# Altium PCB PE300_Rev1_1.PcbDoc (part 2 of 2)
Units mil, origin at the board's own origin, x right, y up, seen from the top; angles counter-clockwise.
Board outline 6601 x 4376.82 mil, 4 copper layers (TOP, GND02, VCC03, BOTTOM), stack 28.8 mil thick; 243 components, 349 nets, 1419 pads, 935 vias.
Unrouted connection lines stored in the file: 927.
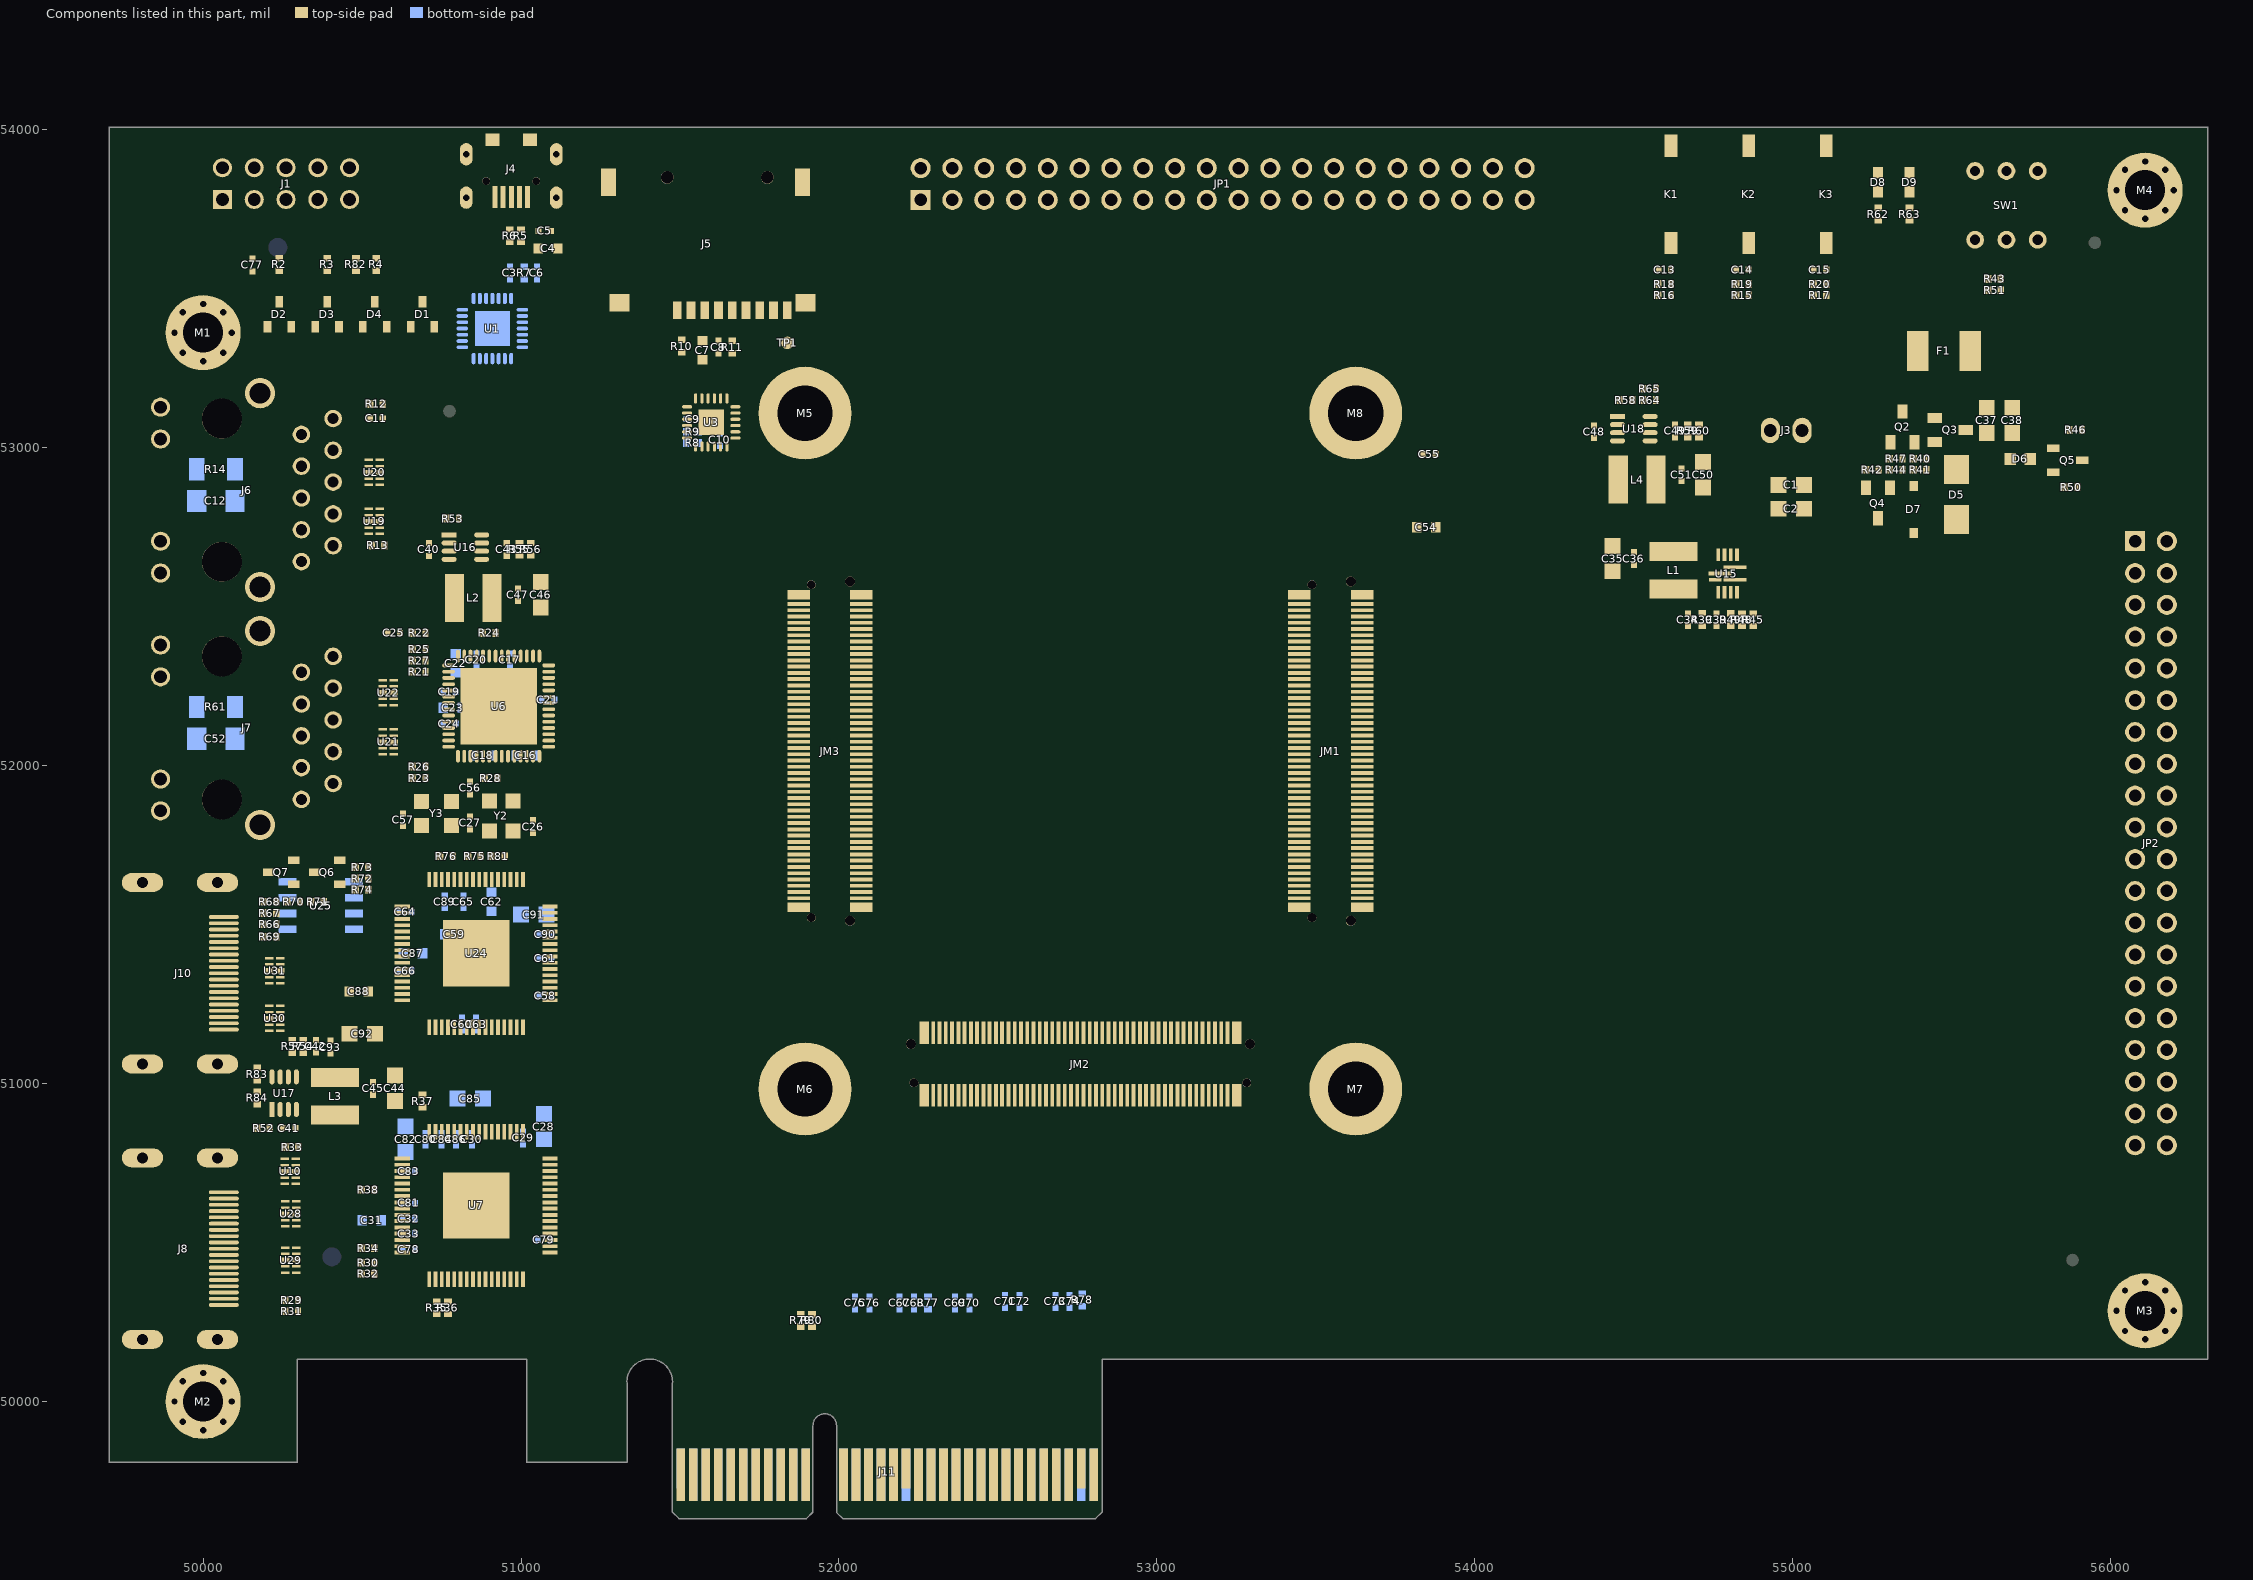
[diagram p4: the components of this part, seen from the top]

## Via types
v1: diameter 18, hole 10, TOP to BOTTOM, 779 vias
v2: diameter 24, hole 12, TOP to BOTTOM, 156 vias

## Nets (pads, with @x,y where several pads share a name; then routed paths per layer and width w, separated by ;. In a path a pad name is that pad's centre, name@x,y a point inside that pad or via, vN(x,y) a via of type N, cw(c..) or ccw(c..) an arc to the next point about the centre after c; other vN are vias at no path point) (continued)
copper on no net: | length 40
  TOP w25: v2(55685,51294.88) 55685.12,51295 v2(55725,51295)
  other v1: 52045,49925 52165,49925 52250,49925 52360,49925 52415,49925 52520,49925 52570,49925 52675,49925 52790,49925 51645,49930 51738.19,49943.19 51815,49985 52280,50105 51500,50150 51915,50200 52925,50200 53000,50200 53075,50200 53150,50200 53225,50200 53300,50200 53375,50200 53475,50200 53575,50200 53675,50200 53775,50200 53875,50200 53975,50200 54075,50200 54175,50200 54275,50200 54375,50200 54475,50200 54575,50200 54675,50200 54775,50200 54875,50200 54975,50200 55075,50200 55175,50200 55275,50200 55375,50200 55475,50200 55575,50200 55675,50200 55775,50200 55875,50200 55975,50200 56270,50215 52761.82,50258.18 50705.31,50275.31 50203.89,50283.89 50337.08,50283.89 52875,50300 53000,50300 53075,50300 53150,50300 53225,50300 53300,50300 53375,50300 53475,50300 53575,50300 53675,50300 53775,50300 53875,50300 53975,50300 54075,50300 54175,50300 54275,50300 54375,50300 54475,50300 54575,50300 54675,50300 54775,50300 54875,50300 54975,50300 55075,50300 55175,50300 55275,50300 55375,50300 55475,50300 55575,50300 55675,50300 55775,50300 55875,50300 56275,50300 50705,50314.69 50334.25,50318.89 50000,50323.43 52005,50329.69 52309.69,50329.69 50770.16,50345 52920,50365 50470,50370 50499.05,50370 50000,50382.48 56275,50385 53000,50400 53075,50400 53150,50400 53225,50400 53300,50400 53375,50400 53475,50400 53575,50400 53675,50400 53775,50400 53875,50400 53975,50400 54075,50400 54175,50400 54275,50400 54375,50400 54475,50400 54575,50400 54675,50400 54775,50400 54875,50400 54975,50400 55075,50400 55175,50400 55275,50400 55375,50400 55475,50400 55575,50400 55675,50400 55775,50400 50000,50441.54 50230,50445 50325,50445 56275,50450 50693.74,50478.74 50584.06,50488.74 53075,50500 53150,50500 53225,50500 53300,50500 53375,50500 53475,50500 53575,50500 53675,50500 53775,50500 53875,50500 53975,50500 54075,50500 54175,50500 54275,50500 54375,50500 54475,50500 54575,50500 54675,50500 54775,50500 54875,50500 54975,50500 55075,50500 55175,50500 55275,50500 55375,50500 55475,50500 55575,50500 55675,50500 55775,50500 55975,50500 56075,50500 56175,50500 50000,50500.6 51133.43,50508.43 50505,50510 51016.69,50511.69 56275,50525 50584.06,50528.11 50700.79,50531.69 50700,50575 50225,50590 50325,50590 53150,50600 53225,50600 53300,50600 53375,50600 53475,50600 53575,50600 53675,50600 53775,50600 53875,50600 53975,50600 54075,50600 54175,50600 54275,50600 50584.06,50606.85 50000,50610 50700,50625 50499.05,50635.95 53300,50700 53375,50700 53475,50700 53575,50700 53675,50700 53775,50700 53875,50700 53975,50700 54075,50700 54175,50700 54275,50700 50215,50704.21 50185,50705 50323.9,50723.9 50584.06,50724.96 50694.96,50724.96 50150,50745 50695,50765 50767.5,50772.5 50830,50780 51006.38,50780 50225,50785 53300,50800 53375,50800 53475,50800 53575,50800 53675,50800 53775,50800 53875,50800 53975,50800 54075,50800 54175,50800 54300,50800 54450,50800 54600,50800 55702.64,50806.3 55372.64,50811.3 55547.64,50811.3 55847.64,50811.3 55967.64,50811.3 51035,50870 50685,50885 52570,50885 50835,50890 50915,50890 50960,50890 52650,50895 50780,50900 53375,50900 53875,50900 53975,50900 54075,50900 54175,50900 54305,50900 54500,50900 55177.64,50901.3 55372.64,50901.3 55522.64,50901.3 55697.64,50901.3 55852.64,50901.3 55997.64,50901.3 52572.22,50910 52670.65,50910 52769.07,50910 52965.93,50910 53024.98,50910 53143.09,50910 53202.14,50910 52225,50920 50125.31,50935.31 52105,50950 52105,50985 53400,51000 55177.64,51001.3 55372.64,51001.3 55522.64,51001.3 55702.64,51001.3 55847.64,51001.3 55997.64,51001.3 52195,51025 52375.37,51025 52473.8,51025 52885,51030 53084.04,51030 52982.83,51046.89 53007,51046.89 53160,51046.89 53184.17,51046.89 53875,51050 53975,51050 54075,51050 54175,51050 54300,51050 53040.83,51051.89 53065,51051.89 52605,51055 53024.98,51070 53100,51081.89 53124.17,51081.89 50170,51090 55522.64,51096.3 55702.64,51096.3 55847.64,51096.3 56002.64,51096.3 53219.59,51099.26 53243.75,51099.26 50855,51100 55172.64,51101.3 55372.64,51101.3 53143.09,51101.89 52385,51105 53084.04,51105 50250,51130 50829.21,51135.99 50400,51160 50355,51170 52220,51170 50595,51175 50000,51189.57 50175,51205 50275,51205 50555,51205 52473.8,51210 52572.22,51210 52670.65,51210 52769.07,51210 52867.5,51210 52965.93,51210 53024.98,51210 53084.04,51210 53143.09,51210 53202.14,51210 52454.11,51225 50390,51240 50835,51240 50000,51248.62 52540,51250 50420,51270 51132.48,51281.78 52815,51300 50570,51301.46 50000,51307.68 51045,51310 52830,51320 52865,51330 52895,51345 50180,51355 50275,51355 50585,51360.52 51045,51365 50000,51366.74 50680,51380 51132.48,51399.89 50585,51419.57 51045,51440 50255,51445 50159.35,51470.65 50585,51478.63 51132.48,51478.63 50000,51484.85 50425,51485 50156.85,51503.15 50730,51520 50585,51537.68 50315,51540 50852.98,51552.02 50165,51555 50720,51555 53390,51554.51 53700,51554.51 51750,51570.75 50665,51575 53375,51583.19 53726.5,51583.19 50425,51585 51725,51595.5 50310,51600 50848.9,51600.56 50947.32,51600.56 53695,51602.88 51430,51605 51765,51620.25 53726.5,51622.56 50185,51625 51420,51630 50555,51635 53395,51642.25 53700,51642.25 51730,51645 52125,51645 52160,51645 52195,51645 52230,51645 50425,51660 51400,51660 50245,51675 51305,51675 51380,51690 51760,51700 51806.3,51701.3 50327.6,51702.4 50470.63,51710 50990,51710 50500,51715 51305,51715 50532.5,51722.5 51820,51740.67 52120,51740.67 53395,51740.67 53700,51740.67 50834.05,51744.05 50390,51745 50425,51745 50855,51765 50781.65,51771.65 51355,51790 51385,51790 51070,51796.27 52120,51839.1 53395,51839.1 53700,51839.1 51820,51845 51750,51856.54 51037.91,51862.09 51725,51865 51750,51880.71 50642.87,51887.13 51797.87,51895.91 51770,51905 51200,51910 51797.87,51920.08 50935,51930 51820,51937.52 52125,51937.52 53395,51937.52 53700,51937.52 50800,51950 51750,51954.96 50728.87,51961.13 51725,51965 52830,51970 51750,51979.13 50950,51985 50978.79,51985 52805,51990 51057.53,51994.43 51797.87,51994.33 50627.61,51997.39 51775,52005 52525,52010 51797.87,52018.5 52500,52030 50536.26,52033.08 52120,52035 51820,52035.94 53395,52035.94 53700,52035.94 52525,52050 51750,52053.39 50536.26,52057.08 51380,52059.44 51725,52065 52465,52070 52500,52070 50630.8,52075.08 51750,52077.56 51350,52079.13 51797.87,52092.76 53525,52095 51380,52098.82 50700,52105 51775,52105 52395,52109.68 51797.87,52116.93 51350,52118.5 50725,52120 53550,52120 51820,52130 52420,52130 52120,52134.37 53395,52134.37 53700,52134.37 51380,52138.18 52355,52150 53550,52155 51350,52157.87 52255,52170 51122.54,52177.56 53570,52180 50536.26,52187.62 52230,52190 51380,52197.24 53885,52205 50715,52210 52255,52210 53815,52210 53850,52210 53955,52210 50536.26,52211.62 51350,52216.93 50631.26,52229.62 52230,52230 51820,52232.8 52120,52232.8 53395,52232.8 53700,52232.8 51122.54,52236.61 50725,52240 54035,52245 52355,52250 52450,52250 52550,52250 52650,52250 52750,52250 51381.3,52256.3 54085,52260 53885,52265 51350,52275.98 54105,52295 50630.66,52295.66 50730,52295.67 51381.3,52295.67 52700,52300 51350,52315.35 50630.66,52330.66 51820,52331.22 52125,52331.22 53395,52331.22 53700,52331.22 52165,52335 52210,52340 53567.37,52348.67 51210,52350 51450,52350 52145,52355 52760,52358.56 50630.66,52365.66 53567.37,52372.83 51425,52375 52230,52375 52355,52375 52450,52375 52550,52375 50959.1,52380.36 52625,52380 52760,52382.72 52165,52385 50850,52390 52125,52390.28 54695,52400 54805,52405 54840,52405 54760,52410 50842.61,52417.39 51815,52429.65 52125,52429.65 53395,52429.65 53575,52429.65 50619.57,52444.57 51295,52485 54785.15,52505.15 52215,52530 51815,52535 52120,52537.07 53390,52545 52375,52550 52475,52550 52575,52550 53680,52580 52375,52625 52475,52625 52575,52625 50540,52655 50919.65,52674.65 54824.52,52704.52 50491.26,52726.11 51120,52735 51155,52735 50491.26,52750.11 55380.43,52765.83 50585.8,52768.11 50890,52770 50930,52790 55944.67,52875.93 50491.26,52880.65 55830,52891.26 50491.26,52904.65 50586.26,52922.65 55825,52956.26 52075,52965 52175,52965 52275,52965 52375,52965 52475,52965 55270.33,52965.93 51568.67,52968.7 51627.72,52968.7 53325,52970 52995,53025 51490.6,53030.35 50645,53042.65 54592.2,53047.2 54735,53050 52075,53065 52175,53065 52275,53065 52375,53065 52475,53065 52575,53065 52945,53075 53325,53080 51490.6,53089.4 50600,53092.65 53875,53100 51709.09,53109.09 54490,53120 54520,53120 55446.89,53129.37 52075,53165 52175,53165 52275,53165 52375,53165 52475,53165 52575,53165 52995,53165 53940,53165 50564.69,53170 53325,53175 51580,53190 54455.31,53189.69 55225,53205 52075,53265 52175,53265 52275,53265 52375,53265 52475,53265 52575,53265 53325,53275 53500,53275 53725,53275 53850,53275 53925,53275 54175,53275 54425,53275 54575,53275 54700,53275 54825,53275 54975,53275 55150,53275 51695.31,53310 54485,53325 54625,53325 54760,53325 54900,53325 55075,53325 52945,53340 50277.4,53343.66 50427.4,53343.66 50577.4,53343.66 50727.4,53343.66 49750,53350 53380,53375 53525,53375 53625,53375 53725,53375 53850,53375 53925,53375 54175,53375 54250,53375 55150,53375 51707.55,53385 53090,53385 52025,53400 52125,53400 52225,53400 52325,53400 52425,53400 50352.6,53417.6 50502.6,53417.6 50652.6,53417.6 49750,53425 49825,53425 50202.6,53425 51225,53425 55225,53450 51363.31,53456.69 51943.31,53456.69 55614.84,53462 53600,53475 53725,53475 53850,53475 53925,53475 54175,53475 54275,53475 54375,53475 54543.6,53480 54793.6,53480 55033.6,53480 53035,53495 53505,53495 49750,53500 49850,53500 56250,53500 51309.91,53505.09 51894.56,53509.56 50875,53515 50907.5,53517.63 50931.67,53517.63 50155,53525 51225,53525 52025,53525 52125,53525 52225,53525 55150,53525 55300,53525 53160,53530 53250,53550 50120,53555 52960,53560 53570,53560 54543.6,53560 54788.6,53560 55028.6,53560 51095,53575 53725,53575 53825,53575 54175,53575 54275,53575 54375,53575 54475,53575 56250,53575 49750,53600 49850,53600 50940,53600 53065,53600 55375,53600 53165,53620 51225,53625 53260,53625 53640,53625 51157.69,53626.83 52960,53630 51995,53645 52095,53645 52195,53645 56250,53650 54375,53675 54475,53675 55200,53675 55450,53675 49750,53700 49850,53700 51094.77,53717.92 51225,53725 50918.18,53730.49 52000,53750 52100,53750 54375,53750 54475,53750 51274.48,53770.52 51884.72,53775.28 49750,53800 49850,53800 51205,53800 54500,53800 55200,53800 55450,53800 49750,53875 49850,53875 55105.18,53891.58 54617,53892.5 54861.09,53892.5 51274.48,53899.48 51205,53900 51884.72,53899.72 55268.71,53903.54 55367.13,53903.54 54360,53945 55950,53955 56075,53960 56230,53960 50874.18,53968.51 50951.2,53968.51 50989.18,53968.51 51066.2,53968.51 49750,53970 49850,53975
  other v2: 51580.71,49999.29 51630,49999.29 51605,50040 55850,50630 55900,50630 55850,50675 55900,50675 55850,50725 55900,50725 50215,50830 50245,50830 50315,50830 50355,50830 50560,50900 50555,50935 50650,51010 50650,51050 50280,51065 50580,51090 50620,51090 53890,51646.89 53935,51646.89 49878.29,51701.71 49910.79,51734.21 49945,51768.42 51160,51775 55695,51870 55735,51870.12 54190,51946.89 54255,51946.89 54305,51946.89 50775,52025 51115,52455 51150,52455 54365,52515 54420,52515 54475,52515 54340,52560 54390,52560 54440,52560 54490,52560 53876.89,52570 51115,52577.45 50710,52580 50990,52590 50710,52620 53926.89,52630 51061.85,52630.6 55515.12,52650 54875,52655 51064.13,52660.87 54335,52670 54380,52670 55515,52690 50640,52700 50675,52700 54875,52710 54335,52715 54380,52715 53771.89,52750 54335,52760 54380,52760 54875,52775 53771.89,52790 55675,52800 55085,52805 55130,52805 55170,52805 54670,52815 54765,52835 54825,52835 55625,52850 55675,52850 54670,52860 55085,52860 55130,52860 55170,52860 53804.48,52872.59 54765,52880 54825,52880 55625,52900 55675,52900 55085,52905 55130,52905 55170,52905 54770,52930 53916.89,52940 55625,52950 53804.48,52962.41 54770,52965 53916.89,52980 54375,52990 54770,52995 53821.89,53020 53821.89,53070 54375,53110 55555,53116.26 54375,53145 55555,53156.26 55620,53181.26 55665,53181.26 55710,53181.26 55750,53181.26 51500,53255 51535,53255 49765,53280 51535.31,53305 51535.31,53336.8 51020,53480

## Polygon pours and split planes (outlines as drawn)
no net on ASSEMBLY_TOP (solid): 50234.8,53690.05 50234.7,53690.05 50229.5,53689.82 50224.33,53689.14 50219.25,53688.02 50214.28,53686.45 50209.47,53684.46 50204.85,53682.05 50200.46,53679.25 50196.33,53676.08 50192.49,53672.57 50188.97,53668.73 50185.8,53664.59 50183,53660.2 50180.59,53655.58 50178.6,53650.77 50177.03,53645.8 50175.91,53640.72 50175.23,53635.56 50175,53630.35 50175.23,53625.09 50175.92,53619.86 50177.06,53614.72 50178.64,53609.69 50180.66,53604.83 50183.09,53600.15 50185.92,53595.71 50189.13,53591.53 50192.69,53587.64 50196.57,53584.08 50200.75,53580.88 50205.2,53578.04 50209.87,53575.61 50214.74,53573.59 50219.77,53572.01 50224.91,53570.87 50230.13,53570.18 50235.4,53569.95 50235.6,53569.95 50240.78,53570.18 50245.91,53570.85 50250.97,53571.97 50255.91,53573.53 50260.7,53575.52 50265.3,53577.91 50269.67,53580.69 50273.78,53583.85 50277.6,53587.35 50281.1,53591.17 50284.26,53595.28 50287.04,53599.65 50289.43,53604.25 50291.42,53609.03 50292.98,53613.98 50294.1,53619.03 50294.77,53624.17 50295,53629.35 50295,53629.85 50294.77,53635.1 50294.08,53640.31 50292.95,53645.43 50291.37,53650.44 50289.36,53655.29 50286.93,53659.95 50284.11,53664.38 50280.91,53668.55 50277.37,53672.42 50273.49,53675.97 50269.33,53679.16 50264.9,53681.99 50260.24,53684.41 50255.39,53686.42 50250.38,53688 50245.25,53689.14 50240.04,53689.82 50234.8,53690.05
no net on ASSEMBLY_TOP (solid): 55879.8,50505.05 55879.7,50505.05 55874.5,50504.82 55869.33,50504.14 55864.25,50503.02 55859.28,50501.45 55854.47,50499.46 55849.85,50497.05 55845.46,50494.25 55841.33,50491.08 55837.49,50487.57 55833.97,50483.73 55830.8,50479.59 55828,50475.2 55825.59,50470.58 55823.6,50465.77 55822.03,50460.8 55820.91,50455.72 55820.23,50450.56 55820,50445.35 55820.23,50440.09 55820.92,50434.86 55822.06,50429.72 55823.64,50424.69 55825.66,50419.83 55828.09,50415.15 55830.92,50410.71 55834.13,50406.53 55837.69,50402.64 55841.57,50399.08 55845.75,50395.88 55850.2,50393.04 55854.87,50390.61 55859.74,50388.59 55864.77,50387.01 55869.91,50385.87 55875.13,50385.18 55880.4,50384.95 55880.6,50384.95 55885.78,50385.18 55890.91,50385.85 55895.97,50386.97 55900.91,50388.53 55905.7,50390.52 55910.3,50392.91 55914.67,50395.69 55918.78,50398.85 55922.6,50402.35 55926.1,50406.17 55929.26,50410.28 55932.04,50414.65 55934.43,50419.25 55936.42,50424.03 55937.98,50428.98 55939.1,50434.03 55939.77,50439.17 55940,50444.35 55940,50444.85 55939.77,50450.1 55939.08,50455.31 55937.95,50460.43 55936.37,50465.44 55934.36,50470.29 55931.93,50474.95 55929.11,50479.38 55925.91,50483.55 55922.37,50487.42 55918.49,50490.97 55914.33,50494.16 55909.9,50496.99 55905.24,50499.41 55900.39,50501.42 55895.38,50503 55890.25,50504.14 55885.04,50504.82 55879.8,50505.05
no net on ASSEMBLY_TOP (solid): 50404.8,50515.1 50404.7,50515.1 50399.5,50514.87 50394.33,50514.19 50389.25,50513.06 50384.28,50511.5 50379.47,50509.51 50374.85,50507.1 50370.46,50504.3 50366.33,50501.13 50362.49,50497.61 50358.97,50493.77 50355.8,50489.64 50353,50485.25 50350.59,50480.63 50348.6,50475.82 50347.03,50470.85 50345.91,50465.77 50345.23,50460.6 50345,50455.4 50345.23,50450.14 50345.92,50444.91 50347.06,50439.77 50348.64,50434.74 50350.66,50429.88 50353.09,50425.2 50355.92,50420.76 50359.13,50416.58 50362.69,50412.69 50366.57,50409.13 50370.75,50405.92 50375.2,50403.09 50379.87,50400.66 50384.74,50398.64 50389.77,50397.06 50394.91,50395.92 50400.13,50395.23 50405.4,50395 50405.6,50395 50410.78,50395.23 50415.91,50395.9 50420.97,50397.02 50425.91,50398.58 50430.7,50400.56 50435.3,50402.96 50439.67,50405.74 50443.78,50408.9 50447.6,50412.4 50451.1,50416.22 50454.26,50420.33 50457.04,50424.7 50459.43,50429.29 50461.42,50434.08 50462.98,50439.02 50464.1,50444.08 50464.77,50449.22 50465,50454.4 50465,50454.9 50464.77,50460.15 50464.08,50465.36 50462.95,50470.48 50461.37,50475.49 50459.36,50480.34 50456.93,50485 50454.11,50489.43 50450.91,50493.6 50447.37,50497.47 50443.49,50501.02 50439.33,50504.21 50434.9,50507.03 50430.24,50509.46 50425.39,50511.47 50420.38,50513.05 50415.25,50514.18 50410.04,50514.87 50404.8,50515.1
no net on ASSEMBLY_TOP (solid): 50775.2,53175.05 50775.3,53175.05 50780.5,53174.82 50785.67,53174.14 50790.75,53173.02 50795.72,53171.45 50800.53,53169.46 50805.15,53167.05 50809.54,53164.25 50813.67,53161.08 50817.51,53157.57 50821.03,53153.73 50824.2,53149.59 50827,53145.2 50829.41,53140.58 50831.4,53135.77 50832.97,53130.8 50834.09,53125.72 50834.77,53120.56 50835,53115.35 50834.77,53110.09 50834.08,53104.86 50832.94,53099.72 50831.36,53094.69 50829.34,53089.83 50826.91,53085.15 50824.08,53080.71 50820.87,53076.53 50817.31,53072.64 50813.43,53069.08 50809.25,53065.88 50804.8,53063.04 50800.13,53060.61 50795.26,53058.59 50790.23,53057.01 50785.09,53055.87 50779.87,53055.18 50774.6,53054.95 50774.4,53054.95 50769.22,53055.18 50764.09,53055.85 50759.03,53056.97 50754.09,53058.53 50749.3,53060.52 50744.7,53062.91 50740.33,53065.69 50736.22,53068.85 50732.4,53072.35 50728.9,53076.17 50725.74,53080.28 50722.96,53084.65 50720.57,53089.25 50718.58,53094.03 50717.02,53098.98 50715.9,53104.03 50715.23,53109.17 50715,53114.35 50715,53114.85 50715.23,53120.1 50715.92,53125.31 50717.05,53130.43 50718.63,53135.44 50720.64,53140.29 50723.07,53144.95 50725.89,53149.38 50729.09,53153.55 50732.63,53157.42 50736.51,53160.97 50740.67,53164.16 50745.1,53166.99 50749.76,53169.41 50754.61,53171.42 50759.62,53173 50764.75,53174.14 50769.96,53174.82 50775.2,53175.05
no net on ASSEMBLY_TOP (solid): 55880.2,50505.05 55880.3,50505.05 55885.5,50504.82 55890.67,50504.14 55895.75,50503.02 55900.72,50501.45 55905.53,50499.46 55910.15,50497.05 55914.54,50494.25 55918.67,50491.08 55922.51,50487.57 55926.03,50483.73 55929.2,50479.59 55932,50475.2 55934.41,50470.58 55936.4,50465.77 55937.97,50460.8 55939.09,50455.72 55939.77,50450.56 55940,50445.35 55939.77,50440.09 55939.08,50434.86 55937.94,50429.72 55936.36,50424.69 55934.34,50419.83 55931.91,50415.15 55929.08,50410.71 55925.87,50406.53 55922.31,50402.64 55918.43,50399.08 55914.25,50395.88 55909.8,50393.04 55905.13,50390.61 55900.26,50388.59 55895.23,50387.01 55890.09,50385.87 55884.87,50385.18 55879.6,50384.95 55879.4,50384.95 55874.22,50385.18 55869.09,50385.85 55864.03,50386.97 55859.09,50388.53 55854.3,50390.52 55849.7,50392.91 55845.33,50395.69 55841.22,50398.85 55837.4,50402.35 55833.9,50406.17 55830.74,50410.28 55827.96,50414.65 55825.57,50419.25 55823.58,50424.03 55822.02,50428.98 55820.9,50434.03 55820.23,50439.17 55820,50444.35 55820,50444.85 55820.23,50450.1 55820.92,50455.31 55822.05,50460.43 55823.63,50465.44 55825.64,50470.29 55828.07,50474.95 55830.89,50479.38 55834.09,50483.55 55837.63,50487.42 55841.51,50490.97 55845.67,50494.16 55850.1,50496.99 55854.76,50499.41 55859.61,50501.42 55864.62,50503 55869.75,50504.14 55874.96,50504.82 55880.2,50505.05
no net on ASSEMBLY_TOP (solid): 55950.2,53705.05 55950.3,53705.05 55955.5,53704.82 55960.67,53704.14 55965.75,53703.02 55970.72,53701.45 55975.53,53699.46 55980.15,53697.05 55984.54,53694.25 55988.67,53691.08 55992.51,53687.57 55996.03,53683.73 55999.2,53679.59 56002,53675.2 56004.41,53670.58 56006.4,53665.77 56007.97,53660.8 56009.09,53655.72 56009.77,53650.56 56010,53645.35 56009.77,53640.09 56009.08,53634.86 56007.94,53629.72 56006.36,53624.69 56004.34,53619.83 56001.91,53615.15 55999.08,53610.71 55995.87,53606.53 55992.31,53602.64 55988.43,53599.08 55984.25,53595.88 55979.8,53593.04 55975.13,53590.61 55970.26,53588.59 55965.23,53587.01 55960.09,53585.87 55954.87,53585.18 55949.6,53584.95 55949.4,53584.95 55944.22,53585.18 55939.09,53585.85 55934.03,53586.97 55929.09,53588.53 55924.3,53590.52 55919.7,53592.91 55915.33,53595.69 55911.22,53598.85 55907.4,53602.35 55903.9,53606.17 55900.74,53610.28 55897.96,53614.65 55895.57,53619.25 55893.58,53624.03 55892.02,53628.98 55890.9,53634.03 55890.23,53639.17 55890,53644.35 55890,53644.85 55890.23,53650.1 55890.92,53655.31 55892.05,53660.43 55893.63,53665.44 55895.64,53670.29 55898.07,53674.95 55900.89,53679.38 55904.09,53683.55 55907.63,53687.42 55911.51,53690.97 55915.67,53694.16 55920.1,53696.99 55924.76,53699.41 55929.61,53701.42 55934.62,53703 55939.75,53704.14 55944.96,53704.82 55950.2,53705.05

## Keep-outs
TOP:
  region: 50775,53048.95 50769.25,53049.2 50763.54,53049.95 50757.92,53051.2 50752.43,53052.93 50747.11,53055.13 50742,53057.79 50737.14,53060.89 50732.58,53064.39 50728.33,53068.28 50724.44,53072.53 50720.94,53077.1 50717.84,53081.95 50715.18,53087.06 50712.98,53092.38 50711.25,53097.87 50710,53103.49 50709.25,53109.2 50709,53114.95 50709.25,53120.7 50710,53126.41 50711.25,53132.03 50712.98,53137.52 50715.18,53142.84 50717.84,53147.95 50720.94,53152.81 50724.44,53157.38 50728.33,53161.62 50732.58,53165.51 50737.14,53169.01 50742,53172.11 50747.11,53174.77 50752.43,53176.97 50757.92,53178.7 50763.54,53179.95 50769.25,53180.7 50775,53180.95 50780.75,53180.7 50786.46,53179.95 50792.08,53178.7 50797.57,53176.97 50802.89,53174.77 50808,53172.11 50812.86,53169.01 50817.42,53165.51 50821.67,53161.62 50825.56,53157.38 50829.06,53152.81 50832.16,53147.95 50834.82,53142.84 50837.02,53137.52 50838.75,53132.03 50840,53126.41 50840.75,53120.7 50841,53114.95 50841,53114.85 50840.72,53109.09 50839.95,53103.37 50838.67,53097.73 50836.91,53092.23 50834.68,53086.91 50831.99,53081.8 50828.87,53076.94 50825.34,53072.38 50821.42,53068.14 50817.15,53064.26 50812.55,53060.76 50807.67,53057.68 50802.54,53055.03 50797.19,53052.85 50791.68,53051.13 50786.04,53049.91 50780.31,53049.18 50775.1,53048.95 50775,53048.95
  region: 50775,53175.05 50775.4,53175.05 50780.6,53174.82 50785.75,53174.14 50790.83,53173.02 50795.79,53171.45 50800.59,53169.47 50805.2,53167.06 50809.59,53164.27 50813.71,53161.11 50817.54,53157.59 50821.06,53153.76 50824.22,53149.64 50827.02,53145.25 50829.42,53140.64 50831.41,53135.83 50832.97,53130.88 50834.09,53125.8 50834.77,53120.65 50835,53115.45 50835,53115.35 50834.77,53110.09 50834.08,53104.86 50832.94,53099.72 50831.36,53094.69 50829.34,53089.83 50826.91,53085.15 50824.08,53080.71 50820.87,53076.53 50817.31,53072.64 50813.43,53069.08 50809.25,53065.88 50804.8,53063.04 50800.13,53060.61 50795.26,53058.59 50790.23,53057.01 50785.09,53055.87 50779.87,53055.18 50774.6,53054.95 50774.3,53054.95 50769.13,53055.18 50764,53055.85 50758.95,53056.97 50754.02,53058.53 50749.24,53060.51 50744.65,53062.9 50740.29,53065.68 50736.18,53068.83 50732.37,53072.32 50728.87,53076.13 50725.72,53080.24 50722.94,53084.6 50720.56,53089.19 50718.58,53093.97 50717.02,53098.9 50715.9,53103.95 50715.23,53109.08 50715,53114.25 50715,53115.05 50715.23,53120.28 50715.91,53125.47 50717.04,53130.58 50718.62,53135.57 50720.62,53140.41 50723.04,53145.05 50725.85,53149.46 50729.04,53153.62 50732.57,53157.48 50736.43,53161.01 50740.59,53164.2 50745,53167.01 50749.64,53169.43 50754.48,53171.43 50759.47,53173 50764.58,53174.14 50769.77,53174.82 50775,53175.05
  region: 55880,50378.95 55874.25,50379.2 55868.54,50379.95 55862.92,50381.2 55857.43,50382.93 55852.11,50385.13 55847,50387.79 55842.14,50390.89 55837.58,50394.39 55833.33,50398.28 55829.44,50402.53 55825.94,50407.1 55822.84,50411.95 55820.18,50417.06 55817.98,50422.38 55816.25,50427.87 55815,50433.49 55814.25,50439.2 55814,50444.95 55814.25,50450.7 55815,50456.41 55816.25,50462.03 55817.98,50467.52 55820.18,50472.84 55822.84,50477.95 55825.94,50482.81 55829.44,50487.38 55833.33,50491.62 55837.58,50495.51 55842.14,50499.01 55847,50502.11 55852.11,50504.77 55857.43,50506.97 55862.92,50508.7 55868.54,50509.95 55874.25,50510.7 55880,50510.95 55885.75,50510.7 55891.46,50509.95 55897.08,50508.7 55902.57,50506.97 55907.89,50504.77 55913,50502.11 55917.86,50499.01 55922.42,50495.51 55926.67,50491.62 55930.56,50487.38 55934.06,50482.81 55937.16,50477.95 55939.82,50472.84 55942.02,50467.52 55943.75,50462.03 55945,50456.41 55945.75,50450.7 55946,50444.95 55946,50444.85 55945.72,50439.09 55944.95,50433.37 55943.67,50427.73 55941.91,50422.23 55939.68,50416.91 55936.99,50411.8 55933.87,50406.94 55930.34,50402.38 55926.42,50398.14 55922.15,50394.26 55917.55,50390.76 55912.67,50387.68 55907.54,50385.03 55902.19,50382.85 55896.68,50381.13 55891.04,50379.91 55885.31,50379.18 55880.1,50378.95 55880,50378.95
  region: 55880,50505.05 55880.4,50505.05 55885.6,50504.82 55890.75,50504.14 55895.83,50503.02 55900.79,50501.45 55905.59,50499.47 55910.2,50497.06 55914.59,50494.27 55918.71,50491.11 55922.54,50487.59 55926.06,50483.76 55929.22,50479.64 55932.02,50475.25 55934.42,50470.64 55936.41,50465.83 55937.97,50460.88 55939.09,50455.8 55939.77,50450.65 55940,50445.45 55940,50445.35 55939.77,50440.09 55939.08,50434.86 55937.94,50429.72 55936.36,50424.69 55934.34,50419.83 55931.91,50415.15 55929.08,50410.71 55925.87,50406.53 55922.31,50402.64 55918.43,50399.08 55914.25,50395.88 55909.8,50393.04 55905.13,50390.61 55900.26,50388.59 55895.23,50387.01 55890.09,50385.87 55884.87,50385.18 55879.6,50384.95 55879.3,50384.95 55874.13,50385.18 55869,50385.85 55863.95,50386.97 55859.02,50388.53 55854.24,50390.51 55849.65,50392.9 55845.29,50395.68 55841.18,50398.83 55837.37,50402.32 55833.87,50406.13 55830.72,50410.24 55827.94,50414.6 55825.56,50419.19 55823.58,50423.97 55822.02,50428.9 55820.9,50433.95 55820.23,50439.08 55820,50444.25 55820,50445.05 55820.23,50450.28 55820.91,50455.47 55822.04,50460.58 55823.62,50465.57 55825.62,50470.41 55828.04,50475.05 55830.85,50479.46 55834.04,50483.62 55837.57,50487.48 55841.43,50491.01 55845.59,50494.2 55850,50497.01 55854.64,50499.43 55859.48,50501.43 55864.47,50503 55869.58,50504.14 55874.77,50504.82 55880,50505.05
  region: 55950,53578.95 55944.25,53579.2 55938.54,53579.95 55932.92,53581.2 55927.43,53582.93 55922.11,53585.13 55917,53587.79 55912.14,53590.89 55907.58,53594.39 55903.33,53598.28 55899.44,53602.53 55895.94,53607.1 55892.84,53611.95 55890.18,53617.06 55887.98,53622.38 55886.25,53627.87 55885,53633.49 55884.25,53639.2 55884,53644.95 55884.25,53650.7 55885,53656.41 55886.25,53662.03 55887.98,53667.52 55890.18,53672.84 55892.84,53677.95 55895.94,53682.81 55899.44,53687.38 55903.33,53691.62 55907.58,53695.51 55912.14,53699.01 55917,53702.11 55922.11,53704.77 55927.43,53706.97 55932.92,53708.7 55938.54,53709.95 55944.25,53710.7 55950,53710.95 55955.75,53710.7 55961.46,53709.95 55967.08,53708.7 55972.57,53706.97 55977.89,53704.77 55983,53702.11 55987.86,53699.01 55992.42,53695.51 55996.67,53691.62 56000.56,53687.38 56004.06,53682.81 56007.16,53677.95 56009.82,53672.84 56012.02,53667.52 56013.75,53662.03 56015,53656.41 56015.75,53650.7 56016,53644.95 56016,53644.85 56015.72,53639.09 56014.95,53633.37 56013.67,53627.73 56011.91,53622.23 56009.68,53616.91 56006.99,53611.8 56003.87,53606.94 56000.34,53602.38 55996.42,53598.14 55992.15,53594.26 55987.55,53590.76 55982.67,53587.68 55977.54,53585.03 55972.19,53582.85 55966.68,53581.13 55961.04,53579.91 55955.31,53579.18 55950.1,53578.95 55950,53578.95
GND02:
  region: 52064.08,50273 52048.08,50289 52048.08,50331 52060.08,50343 52060.08,50345 52058.08,50347 52038.08,50347 52034.08,50343 52034.08,50275 52041.08,50268 52063.08,50268 52064.08,50269 52064.08,50273
  region: 52081.6,50273 52097.6,50289 52097.6,50331 52085.6,50343 52085.6,50345 52087.6,50347 52107.6,50347 52111.6,50343 52111.6,50275 52104.6,50268 52082.6,50268 52081.6,50269 52081.6,50273
  region: 52078.08,50276 52068.08,50276 52053.08,50291 52053.08,50322 52053.08,50329 52066.08,50342 52080.08,50342 52093.08,50329 52093.08,50291 52078.08,50276
  region: 52204.08,50273 52188.08,50289 52188.08,50331 52200.08,50343 52200.08,50345 52198.08,50347 52178.08,50347 52174.08,50343 52174.08,50275 52181.08,50268 52203.08,50268 52204.08,50269 52204.08,50273
  region: 52221.6,50273 52237.6,50289 52237.6,50331 52225.6,50343 52225.6,50345 52227.6,50347 52247.6,50347 52251.6,50343 52251.6,50275 52244.6,50268 52222.6,50268 52221.6,50269 52221.6,50273
  region: 52218.08,50276 52208.08,50276 52193.08,50291 52193.08,50322 52193.08,50329 52206.08,50342 52220.08,50342 52233.08,50329 52233.08,50291 52218.08,50276
  region: 52379.04,50273 52363.04,50289 52363.04,50331 52375.04,50343 52375.04,50345 52373.04,50347 52353.04,50347 52349.04,50343 52349.04,50275 52356.04,50268 52378.04,50268 52379.04,50269 52379.04,50273
  region: 52396.56,50273 52412.56,50289 52412.56,50331 52400.56,50343 52400.56,50345 52402.56,50347 52422.56,50347 52426.56,50343 52426.56,50275 52419.56,50268 52397.56,50268 52396.56,50269 52396.56,50273
  region: 52393.04,50276 52383.04,50276 52368.04,50291 52368.04,50322 52368.04,50329 52381.04,50342 52395.04,50342 52408.04,50329 52408.04,50291 52393.04,50276
  region: 52536.52,50278 52520.52,50294 52520.52,50336 52532.52,50348 52532.52,50350 52530.52,50352 52510.52,50352 52506.52,50348 52506.52,50280 52513.52,50273 52535.52,50273 52536.52,50274 52536.52,50278
  region: 52554.04,50278 52570.04,50294 52570.04,50336 52558.04,50348 52558.04,50350 52560.04,50352 52580.04,50352 52584.04,50348 52584.04,50280 52577.04,50273 52555.04,50273 52554.04,50274 52554.04,50278
  region: 52550.52,50281 52540.52,50281 52525.52,50296 52525.52,50327 52525.52,50334 52538.52,50347 52552.52,50347 52565.52,50334 52565.52,50296 52550.52,50281
  region: 52708,50281 52698,50281 52683,50296 52683,50327 52683,50334 52696,50347 52710,50347 52723,50334 52723,50296 52708,50281
  region: 52711.52,50278 52727.52,50294 52727.52,50336 52715.52,50348 52715.52,50350 52717.52,50352 52737.52,50352 52741.52,50348 52741.52,50280 52734.52,50273 52712.52,50273 52711.52,50274 52711.52,50278
  region: 52694,50278 52678,50294 52678,50336 52690,50348 52690,50350 52688,50352 52668,50352 52664,50348 52664,50280 52671,50273 52693,50273 52694,50274 52694,50278
  region: 51485,49905 51485,49630 52290,49630 52625,49630 52815,49630 52840,49655 52840,49845 52840,49900 52835,49905 52290,49905 51485,49905
VCC03:
  region: 52694,50278 52678,50294 52678,50336 52690,50348 52690,50350 52688,50352 52668,50352 52664,50348 52664,50280 52671,50273 52693,50273 52694,50274 52694,50278
  region: 52711.52,50278 52727.52,50294 52727.52,50336 52715.52,50348 52715.52,50350 52717.52,50352 52737.52,50352 52741.52,50348 52741.52,50280 52734.52,50273 52712.52,50273 52711.52,50274 52711.52,50278
  region: 52708,50281 52698,50281 52683,50296 52683,50327 52683,50334 52696,50347 52710,50347 52723,50334 52723,50296 52708,50281
  region: 52550.52,50281 52540.52,50281 52525.52,50296 52525.52,50327 52525.52,50334 52538.52,50347 52552.52,50347 52565.52,50334 52565.52,50296 52550.52,50281
  region: 52554.04,50278 52570.04,50294 52570.04,50336 52558.04,50348 52558.04,50350 52560.04,50352 52580.04,50352 52584.04,50348 52584.04,50280 52577.04,50273 52555.04,50273 52554.04,50274 52554.04,50278
  region: 52536.52,50278 52520.52,50294 52520.52,50336 52532.52,50348 52532.52,50350 52530.52,50352 52510.52,50352 52506.52,50348 52506.52,50280 52513.52,50273 52535.52,50273 52536.52,50274 52536.52,50278
  region: 52393.04,50276 52383.04,50276 52368.04,50291 52368.04,50322 52368.04,50329 52381.04,50342 52395.04,50342 52408.04,50329 52408.04,50291 52393.04,50276
  region: 52396.56,50273 52412.56,50289 52412.56,50331 52400.56,50343 52400.56,50345 52402.56,50347 52422.56,50347 52426.56,50343 52426.56,50275 52419.56,50268 52397.56,50268 52396.56,50269 52396.56,50273
  region: 52379.04,50273 52363.04,50289 52363.04,50331 52375.04,50343 52375.04,50345 52373.04,50347 52353.04,50347 52349.04,50343 52349.04,50275 52356.04,50268 52378.04,50268 52379.04,50269 52379.04,50273
  region: 52218.08,50276 52208.08,50276 52193.08,50291 52193.08,50322 52193.08,50329 52206.08,50342 52220.08,50342 52233.08,50329 52233.08,50291 52218.08,50276
  region: 52221.6,50273 52237.6,50289 52237.6,50331 52225.6,50343 52225.6,50345 52227.6,50347 52247.6,50347 52251.6,50343 52251.6,50275 52244.6,50268 52222.6,50268 52221.6,50269 52221.6,50273
  region: 52204.08,50273 52188.08,50289 52188.08,50331 52200.08,50343 52200.08,50345 52198.08,50347 52178.08,50347 52174.08,50343 52174.08,50275 52181.08,50268 52203.08,50268 52204.08,50269 52204.08,50273
  region: 52078.08,50276 52068.08,50276 52053.08,50291 52053.08,50322 52053.08,50329 52066.08,50342 52080.08,50342 52093.08,50329 52093.08,50291 52078.08,50276
  region: 52081.6,50273 52097.6,50289 52097.6,50331 52085.6,50343 52085.6,50345 52087.6,50347 52107.6,50347 52111.6,50343 52111.6,50275 52104.6,50268 52082.6,50268 52081.6,50269 52081.6,50273
  region: 52064.08,50273 52048.08,50289 52048.08,50331 52060.08,50343 52060.08,50345 52058.08,50347 52038.08,50347 52034.08,50343 52034.08,50275 52041.08,50268 52063.08,50268 52064.08,50269 52064.08,50273
  region: 51485,49905 51485,49630 52290,49630 52625,49630 52815,49630 52840,49655 52840,49845 52840,49900 52835,49905 52290,49905 51485,49905
BOTTOM:
  region: 50235,53690.05 50234.6,53690.05 50229.4,53689.82 50224.25,53689.14 50219.17,53688.02 50214.21,53686.45 50209.41,53684.47 50204.8,53682.06 50200.41,53679.27 50196.29,53676.11 50192.46,53672.59 50188.94,53668.76 50185.78,53664.64 50182.98,53660.25 50180.58,53655.64 50178.59,53650.83 50177.03,53645.88 50175.91,53640.8 50175.23,53635.65 50175,53630.45 50175,53630.35 50175.23,53625.09 50175.92,53619.86 50177.06,53614.72 50178.64,53609.69 50180.66,53604.83 50183.09,53600.15 50185.92,53595.71 50189.13,53591.53 50192.69,53587.64 50196.57,53584.08 50200.75,53580.88 50205.2,53578.04 50209.87,53575.61 50214.74,53573.59 50219.77,53572.01 50224.91,53570.87 50230.13,53570.18 50235.4,53569.95 50235.7,53569.95 50240.87,53570.18 50246,53570.85 50251.05,53571.97 50255.98,53573.53 50260.76,53575.51 50265.35,53577.9 50269.71,53580.68 50273.82,53583.83 50277.63,53587.32 50281.13,53591.13 50284.28,53595.24 50287.06,53599.6 50289.44,53604.19 50291.42,53608.97 50292.98,53613.9 50294.1,53618.95 50294.77,53624.08 50295,53629.25 50295,53630.05 50294.77,53635.28 50294.09,53640.47 50292.96,53645.58 50291.38,53650.57 50289.38,53655.41 50286.96,53660.05 50284.15,53664.46 50280.96,53668.62 50277.43,53672.48 50273.57,53676.01 50269.41,53679.2 50265,53682.01 50260.36,53684.43 50255.52,53686.43 50250.53,53688 50245.42,53689.14 50240.23,53689.82 50235,53690.05
  region: 50235,53563.95 50240.75,53564.2 50246.46,53564.95 50252.08,53566.2 50257.57,53567.93 50262.89,53570.13 50268,53572.79 50272.86,53575.89 50277.42,53579.39 50281.67,53583.28 50285.56,53587.53 50289.06,53592.1 50292.16,53596.95 50294.82,53602.06 50297.02,53607.38 50298.75,53612.87 50300,53618.49 50300.75,53624.2 50301,53629.95 50300.75,53635.7 50300,53641.41 50298.75,53647.03 50297.02,53652.52 50294.82,53657.84 50292.16,53662.95 50289.06,53667.81 50285.56,53672.38 50281.67,53676.62 50277.42,53680.51 50272.86,53684.01 50268,53687.11 50262.89,53689.77 50257.57,53691.97 50252.08,53693.7 50246.46,53694.95 50240.75,53695.7 50235,53695.95 50229.25,53695.7 50223.54,53694.95 50217.92,53693.7 50212.43,53691.97 50207.11,53689.77 50202,53687.11 50197.14,53684.01 50192.58,53680.51 50188.33,53676.62 50184.44,53672.38 50180.94,53667.81 50177.84,53662.95 50175.18,53657.84 50172.98,53652.52 50171.25,53647.03 50170,53641.41 50169.25,53635.7 50169,53629.95 50169,53629.85 50169.28,53624.09 50170.05,53618.37 50171.33,53612.73 50173.09,53607.23 50175.32,53601.91 50178.01,53596.8 50181.13,53591.94 50184.66,53587.38 50188.58,53583.14 50192.85,53579.26 50197.45,53575.76 50202.33,53572.68 50207.46,53570.03 50212.81,53567.85 50218.32,53566.13 50223.96,53564.91 50229.69,53564.18 50234.9,53563.95 50235,53563.95
  region: 55880,50505.05 55879.6,50505.05 55874.4,50504.82 55869.25,50504.14 55864.17,50503.02 55859.21,50501.45 55854.41,50499.47 55849.8,50497.06 55845.41,50494.27 55841.29,50491.11 55837.46,50487.59 55833.94,50483.76 55830.78,50479.64 55827.98,50475.25 55825.58,50470.64 55823.59,50465.83 55822.03,50460.88 55820.91,50455.8 55820.23,50450.65 55820,50445.45 55820,50445.35 55820.23,50440.09 55820.92,50434.86 55822.06,50429.72 55823.64,50424.69 55825.66,50419.83 55828.09,50415.15 55830.92,50410.71 55834.13,50406.53 55837.69,50402.64 55841.57,50399.08 55845.75,50395.88 55850.2,50393.04 55854.87,50390.61 55859.74,50388.59 55864.77,50387.01 55869.91,50385.87 55875.13,50385.18 55880.4,50384.95 55880.7,50384.95 55885.87,50385.18 55891,50385.85 55896.05,50386.97 55900.98,50388.53 55905.76,50390.51 55910.35,50392.9 55914.71,50395.68 55918.82,50398.83 55922.63,50402.32 55926.13,50406.13 55929.28,50410.24 55932.06,50414.6 55934.44,50419.19 55936.42,50423.97 55937.98,50428.9 55939.1,50433.95 55939.77,50439.08 55940,50444.25 55940,50445.05 55939.77,50450.28 55939.09,50455.47 55937.96,50460.58 55936.38,50465.57 55934.38,50470.41 55931.96,50475.05 55929.15,50479.46 55925.96,50483.62 55922.43,50487.48 55918.57,50491.01 55914.41,50494.2 55910,50497.01 55905.36,50499.43 55900.52,50501.43 55895.53,50503 55890.42,50504.14 55885.23,50504.82 55880,50505.05
  region: 55880,50378.95 55885.75,50379.2 55891.46,50379.95 55897.08,50381.2 55902.57,50382.93 55907.89,50385.13 55913,50387.79 55917.86,50390.89 55922.42,50394.39 55926.67,50398.28 55930.56,50402.53 55934.06,50407.1 55937.16,50411.95 55939.82,50417.06 55942.02,50422.38 55943.75,50427.87 55945,50433.49 55945.75,50439.2 55946,50444.95 55945.75,50450.7 55945,50456.41 55943.75,50462.03 55942.02,50467.52 55939.82,50472.84 55937.16,50477.95 55934.06,50482.81 55930.56,50487.38 55926.67,50491.62 55922.42,50495.51 55917.86,50499.01 55913,50502.11 55907.89,50504.77 55902.57,50506.97 55897.08,50508.7 55891.46,50509.95 55885.75,50510.7 55880,50510.95 55874.25,50510.7 55868.54,50509.95 55862.92,50508.7 55857.43,50506.97 55852.11,50504.77 55847,50502.11 55842.14,50499.01 55837.58,50495.51 55833.33,50491.62 55829.44,50487.38 55825.94,50482.81 55822.84,50477.95 55820.18,50472.84 55817.98,50467.52 55816.25,50462.03 55815,50456.41 55814.25,50450.7 55814,50444.95 55814,50444.85 55814.28,50439.09 55815.05,50433.37 55816.33,50427.73 55818.09,50422.23 55820.32,50416.91 55823.01,50411.8 55826.13,50406.94 55829.66,50402.38 55833.58,50398.14 55837.85,50394.26 55842.45,50390.76 55847.33,50387.68 55852.46,50385.03 55857.81,50382.85 55863.32,50381.13 55868.96,50379.91 55874.69,50379.18 55879.9,50378.95 55880,50378.95
  region: 50405,50389 50410.75,50389.25 50416.46,50390 50422.08,50391.25 50427.57,50392.98 50432.89,50395.18 50438,50397.84 50442.86,50400.94 50447.42,50404.44 50451.67,50408.33 50455.56,50412.58 50459.06,50417.14 50462.16,50422 50464.82,50427.11 50467.02,50432.43 50468.75,50437.92 50470,50443.54 50470.75,50449.25 50471,50455 50470.75,50460.75 50470,50466.46 50468.75,50472.08 50467.02,50477.57 50464.82,50482.89 50462.16,50488 50459.06,50492.86 50455.56,50497.42 50451.67,50501.67 50447.42,50505.56 50442.86,50509.06 50438,50512.16 50432.89,50514.82 50427.57,50517.02 50422.08,50518.75 50416.46,50520 50410.75,50520.75 50405,50521 50399.25,50520.75 50393.54,50520 50387.92,50518.75 50382.43,50517.02 50377.11,50514.82 50372,50512.16 50367.14,50509.06 50362.58,50505.56 50358.33,50501.67 50354.44,50497.42 50350.94,50492.86 50347.84,50488 50345.18,50482.89 50342.98,50477.57 50341.25,50472.08 50340,50466.46 50339.25,50460.75 50339,50455 50339,50454.9 50339.28,50449.14 50340.05,50443.41 50341.33,50437.78 50343.09,50432.28 50345.32,50426.96 50348.01,50421.85 50351.13,50416.99 50354.66,50412.43 50358.58,50408.19 50362.85,50404.3 50367.45,50400.81 50372.33,50397.73 50377.46,50395.08 50382.81,50392.9 50388.32,50391.18 50393.96,50389.96 50399.69,50389.23 50404.9,50389 50405,50389
  region: 50405,50515.1 50404.6,50515.1 50399.4,50514.87 50394.25,50514.19 50389.17,50513.07 50384.21,50511.5 50379.41,50509.51 50374.8,50507.11 50370.41,50504.32 50366.29,50501.15 50362.46,50497.64 50358.94,50493.81 50355.78,50489.68 50352.98,50485.3 50350.58,50480.69 50348.59,50475.88 50347.03,50470.93 50345.91,50465.85 50345.23,50460.69 50345,50455.5 50345,50455.4 50345.23,50450.14 50345.92,50444.91 50347.06,50439.77 50348.64,50434.74 50350.66,50429.88 50353.09,50425.2 50355.92,50420.76 50359.13,50416.58 50362.69,50412.69 50366.57,50409.13 50370.75,50405.92 50375.2,50403.09 50379.87,50400.66 50384.74,50398.64 50389.77,50397.06 50394.91,50395.92 50400.13,50395.23 50405.4,50395 50405.7,50395 50410.87,50395.23 50416,50395.9 50421.05,50397.02 50425.98,50398.58 50430.76,50400.56 50435.35,50402.95 50439.71,50405.72 50443.82,50408.87 50447.63,50412.37 50451.13,50416.18 50454.28,50420.29 50457.06,50424.65 50459.44,50429.24 50461.42,50434.02 50462.98,50438.95 50464.1,50444 50464.77,50449.13 50465,50454.3 50465,50455.1 50464.77,50460.33 50464.09,50465.52 50462.96,50470.63 50461.38,50475.62 50459.38,50480.46 50456.96,50485.1 50454.15,50489.51 50450.96,50493.67 50447.43,50497.52 50443.57,50501.06 50439.41,50504.25 50435,50507.06 50430.36,50509.48 50425.52,50511.48 50420.53,50513.05 50415.42,50514.19 50410.23,50514.87 50405,50515.1

## Silkscreen, mask and mechanical layers (free items; w line width, h text height)
Top Overlay:
  circle w6.1: c50775,53114.95 r60
  circle w6.1: c55880,50444.95 r60
  circle w6.1: c55950,53644.95 r60
  text "UART" at 50732,53642 h56
  text "GPIO1" at 52075,53567 h56
  text "JTAG" at 49847,53552 h56
  text "LED1" at 55298,53479 h56 r90
  text "LED2" at 55398,53479 h56 r90
  text "RST" at 54528,53454 h56 r90
  text "KEY2" at 54768,53454 h56 r90
  text "KEY1" at 55023,53454 h56 r90
  text "SD" at 51331,53302 h56
  text "DC12V" at 56025,53047 h56
  text "PWR LED" at 55609,52851 h28
  text "FAN" at 54924,52687 h56
  text "ETH0" at 49722,52477 h56
  text "ETH1" at 49722,51727 h56
  text "HDMIRX" at 49723,50942 h56
  text "HDMITX" at 49726,50827 h56
  text "GPIO2" at 55918,50610 h56 r90
Bottom Overlay:
  circle w6.1: c50235,53629.95 r60
  circle w6.1: c55880,50444.95 r60
  circle w6.1: c50405,50455 r60
DXF_H:
  lines w1: 51917.22,49924.06 51917.22,49652.06 51897.22,49632.06 51496.72,49632.06 51476.72,49652.06 51476.72,50057.06 ccw(c51404.72,50061.96) 51332.72,50057.06 51332.72,49809.06 51017.72,49809.06 51017.72,50134.06 50295.72,50134.06 50295.72,49809.06 49704.72,49809.06 49704.72,54007.88 56304.72,54007.88 56304.72,50134.06 52826.72,50134.06 52826.72,49652.06 52806.72,49632.06 ; 51917.72,49924.06 cw(c51955.22,49924.64) 51992.72,49924.06 51992.72,49651.56 52012.22,49632.06
PANEL:
  circle w1: c53850.3,50102.36 r31.5
  circle w1: c53787.31,50102.36 r31.5
  circle w1: c53724.32,50102.36 r31.5
  circle w1: c55360.33,50102.36 r31.5
  circle w1: c55423.32,50102.36 r31.5
  circle w1: c55486.31,50102.36 r31.5
  pour cut-out: 49704.73,49809.06 50295.28,49809.06 50295.28,50133.86 51017.72,50133.86 51017.72,49809.06 51332.68,49809.06 51332.68,50062.01 51332.96,50068.27 51333.77,50074.49 51335.13,50080.61 51337.02,50086.59 51339.41,50092.38 51342.31,50097.94 51345.68,50103.22 51349.49,50108.2 51353.73,50112.82 51358.35,50117.05 51363.32,50120.87 51368.61,50124.24 51374.17,50127.13 51379.96,50129.53 51385.94,50131.41 51392.06,50132.77 51398.27,50133.59 51404.53,50133.86 51410.79,50133.59 51417.01,50132.77 51423.13,50131.41 51429.11,50129.53 51434.9,50127.13 51440.46,50124.24 51445.74,50120.87 51450.72,50117.05 51455.34,50112.82 51459.57,50108.2 51463.39,50103.22 51466.76,50097.94 51469.65,50092.38 51472.05,50086.59 51473.93,50080.61 51475.29,50074.49 51476.11,50068.27 51476.38,50062.01 51476.38,49651.58 51496.07,49631.89 51897.64,49631.89 51917.33,49651.58 51917.33,49925.2 51917.47,49928.46 51917.9,49931.7 51918.6,49934.88 51919.59,49937.99 51920.83,49941.01 51922.34,49943.9 51924.09,49946.65 51926.08,49949.24 51928.28,49951.65 51930.69,49953.85 51933.28,49955.84 51936.03,49957.59 51938.92,49959.1 51941.94,49960.35 51945.05,49961.33 51948.24,49962.03 51951.47,49962.46 51954.73,49962.6 51957.99,49962.46 51961.22,49962.03 51964.41,49961.33 51967.52,49960.35 51970.54,49959.1 51973.43,49957.59 51976.18,49955.84 51978.77,49953.85 51981.18,49951.65 51983.38,49949.24 51985.37,49946.65 51987.12,49943.9 51988.63,49941.01 51989.87,49937.99 51990.86,49934.88 51991.56,49931.7 51991.99,49928.46 51992.13,49925.2 51992.13,49651.58 52011.82,49631.89 52806.74,49631.89 52826.78,49651.93 52826.78,50133.86 56305.12,50133.86 56305.12,54007.88 49704.73,54007.88 49704.73,49809.06
  lines w1: 53692.92,50133.86 53692.92,50055.12 52905.52,50055.12 52905.52,49631.89 56305.12,49631.89 56305.12,50055.12 55517.68,50055.12 55517.68,50133.86 ; 53881.68,50133.86 53881.68,50055.12 55328.93,50055.12 55328.93,50133.86
  lines w8: 50087.72,54007.88 ccw(c50085.82,54057.88) 50087.72,54107.88 49704.72,54107.88 49704.72,54507.88 56304.72,54507.88 56304.72,54107.88 56033.72,54107.88 ccw(c56030.8,54057.88) 56033.72,54007.88 ; 50285.72,54007.88 cw(c50289.02,54057.88) 50285.72,54107.88 52658.72,54107.88 cw(c52661.4,54057.88) 52658.72,54007.88 ; 52879.72,54008.88 cw(c52881.47,54058.88) 52879.72,54108.88 55840.72,54108.88 cw(c55831.87,54058.38) 55840.72,54007.88
DXF-XME0712:
  drawing of 431 lines, arcs and shapes, not listed
  text "99" at 53660,52543.89 h24 r180
  text "99" at 52082.09,52541.85 h24 r180
  text "100" at 51793,52538.89 h24 r180
  text "100" at 53373,52538.89 h24 r180
  text "JM3" at 51798,52069.89 h24 r270
  text "JM1" at 53698,52014.89 h24 r270
  text "2" at 51838,51553.89 h24 r270
  text "2" at 53408,51553.89 h24 r270
  text "1" at 52088,51538.89 h24 r270
  text "1" at 53663,51533.89 h24 r270
  text "1" at 53233,51198.89 h24 r270
  text "99" at 52263.19,51171.77 h24 r270
  text "2" at 53228,50928.89 h24 r270
  text "JM2" at 52738,50908.89 h24 r180
  text "100" at 52263,50884.89 h24 r270
DXF20181116:
  drawing of 189 lines, arcs and shapes, not listed
OUTLINE:
  lines w1: 49704.72,49809.06 50295.72,49809.06 50295.72,50134.06 51017.72,50134.06 51017.72,49809.06 51332.72,49809.06 51332.72,50057.06 cw(c51404.72,50061.96) 51476.72,50057.06 51476.72,49652.06 51496.72,49632.06 51897.22,49632.06 51917.22,49652.06 51917.22,49924.06 51917.72,49924.06 cw(c51955.22,49924.64) 51992.72,49924.06 51992.72,49651.56 52012.22,49632.06 52806.72,49632.06 52826.72,49652.06 52826.72,50134.06 56304.72,50134.06 56304.72,54007.88 49704.72,54007.88 49704.72,49809.06
DRAWING_ORIGIN:
  lines w1: 49975,50000 50025,50000 ; 50000,49975 50000,50025
PIN_NUMBER:
  text "1" at 55940,53644.95 h25
  text "1" at 50225,53629.95 h25
  text "1" at 50765,53114.95 h25
  text "1" at 50395,50455 h25
  text "1" at 55870,50444.95 h25
  text "1" at 55870,50444.95 h25
ASSEMBLY_TOP:
  text "#REFDES" at 55925.37,53689.73 h31
  text "*" at 50750.37,53159.73 h31
  text "*" at 55855.37,50489.73 h31
ASSEMBLY_BOTTOM:
  text "*" at 50259.63,53674.73 h31
  text "*" at 50429.63,50499.78 h31
  text "*" at 55904.63,50489.73 h31

## Text inside footprints (layer, text, board x,y; h text height)
C1: Top Overlay "10uF/25V" at 55003.33,52803.5 h25 r90; PIN_NUMBER "1" at 55025,52883.15 h25 r270; PIN_NUMBER "2" at 54945,52883.15 h25 r270
C2: Top Overlay "10uF/25V" at 55003.33,52728.5 h25 r90; PIN_NUMBER "1" at 55025,52808.15 h25 r270; PIN_NUMBER "2" at 54945,52808.15 h25 r270
C3: PIN_NUMBER "2" at 50955,53570 h25 r180; PIN_NUMBER "1" at 50955,53530 h25 r180; Bottom Overlay "0.1uf" at 51017,53541.67 h25
C4: PIN_NUMBER "1" at 51104.77,53626.83 h25 r270; PIN_NUMBER "2" at 51044.77,53626.83 h25 r270
C5: Top Overlay "0.1uf" at 51083.11,53629.83 h25 r90; PIN_NUMBER "1" at 51084.77,53681.83 h25 r270; PIN_NUMBER "2" at 51044.77,53681.83 h25 r270
C6: PIN_NUMBER "1" at 51040,53530 h25 r180; PIN_NUMBER "2" at 51040,53570 h25 r180; Bottom Overlay "0.1uf" at 51102,53541.67 h25
C7: PIN_NUMBER "2" at 51560.94,53336.8 h25 r180; PIN_NUMBER "1" at 51560.94,53276.8 h25 r180
C8: Top Overlay "0.1uf" at 51568.93,53308.46 h25; PIN_NUMBER "2" at 51610.93,53336.8 h25 r180; PIN_NUMBER "1" at 51610.93,53296.8 h25 r180
C9: PIN_NUMBER "1" at 51510,53090 h25 r90; PIN_NUMBER "2" at 51550,53090 h25 r90; Bottom Overlay "0.1uF" at 51531.67,53038 h25 r270
C10: PIN_NUMBER "1" at 51615,53005 h25 r180; PIN_NUMBER "2" at 51615,53045 h25 r180; Bottom Overlay "0.1uF" at 51677,53016.67 h25
C11: Top Overlay "0.1uf" at 50553.33,53040.65 h25 r90; PIN_NUMBER "1" at 50515,53092.65 h25 r90; PIN_NUMBER "2" at 50555,53092.65 h25 r90
C12: PIN_NUMBER "1" at 50090,52832.65 h25; PIN_NUMBER "2" at 49970,52832.65 h25
C13: Top Overlay "0.1uF" at 54605.34,53508 h25 r90; PIN_NUMBER "1" at 54607,53560 h25 r270; PIN_NUMBER "2" at 54567,53560 h25 r270
C14: Top Overlay "0.1uF" at 54849.43,53508 h25 r90; PIN_NUMBER "1" at 54851.09,53560 h25 r270; PIN_NUMBER "2" at 54811.09,53560 h25 r270
C15: Top Overlay "0.1uF" at 55093.51,53508 h25 r90; PIN_NUMBER "1" at 55095.18,53560 h25 r270; PIN_NUMBER "2" at 55055.18,53560 h25 r270
C16: PIN_NUMBER "2" at 50974.57,52032.39 h25 r270; PIN_NUMBER "1" at 51034.57,52032.39 h25 r270
C17: PIN_NUMBER "2" at 50954.57,52312.39 h25; PIN_NUMBER "1" at 50954.57,52352.39 h25; Bottom Overlay "0.1uF" at 51016.58,52324.06 h25
C18: PIN_NUMBER "2" at 50839.57,52032.39 h25 r270; PIN_NUMBER "1" at 50899.57,52032.39 h25 r270
C19: PIN_NUMBER "2" at 50784.57,52232.39 h25 r90; PIN_NUMBER "1" at 50744.57,52232.39 h25 r90; Bottom Overlay "0.1uF" at 50766.24,52180.39 h25 r270
C20: PIN_NUMBER "1" at 50849.57,52352.39 h25; PIN_NUMBER "2" at 50849.57,52312.39 h25; Bottom Overlay "0.1uF" at 50911.57,52324.06 h25
C21: PIN_NUMBER "1" at 51094.57,52207.39 h25 r270; PIN_NUMBER "2" at 51054.57,52207.39 h25 r270; Bottom Overlay "0.1uF" at 51076.24,52155.39 h25 r270
C22: PIN_NUMBER "1" at 50784.57,52352.39 h25; PIN_NUMBER "2" at 50784.57,52292.39 h25
C23: PIN_NUMBER "2" at 50804.57,52182.39 h25 r90; PIN_NUMBER "1" at 50744.57,52182.39 h25 r90
C24: PIN_NUMBER "2" at 50784.57,52132.39 h25 r90; PIN_NUMBER "1" at 50744.57,52132.39 h25 r90; Bottom Overlay "0.1uF" at 50766.24,52080.39 h25 r270
C25: Top Overlay "0.1uf" at 50607.91,52365.39 h25 r90; PIN_NUMBER "1" at 50569.57,52417.39 h25 r90; PIN_NUMBER "2" at 50609.57,52417.39 h25 r90
C26: Top Overlay "12pF" at 50996.91,51800.03 h25; PIN_NUMBER "2" at 51027.91,51828.36 h25 r180; PIN_NUMBER "1" at 51027.91,51788.36 h25 r180
C27: Top Overlay "12pF" at 50799,51811.67 h25; PIN_NUMBER "2" at 50830,51800 h25; PIN_NUMBER "1" at 50830,51840 h25